# KiCad board ESP32-P4-PC_Rev_B.kicad_pcb (continued)
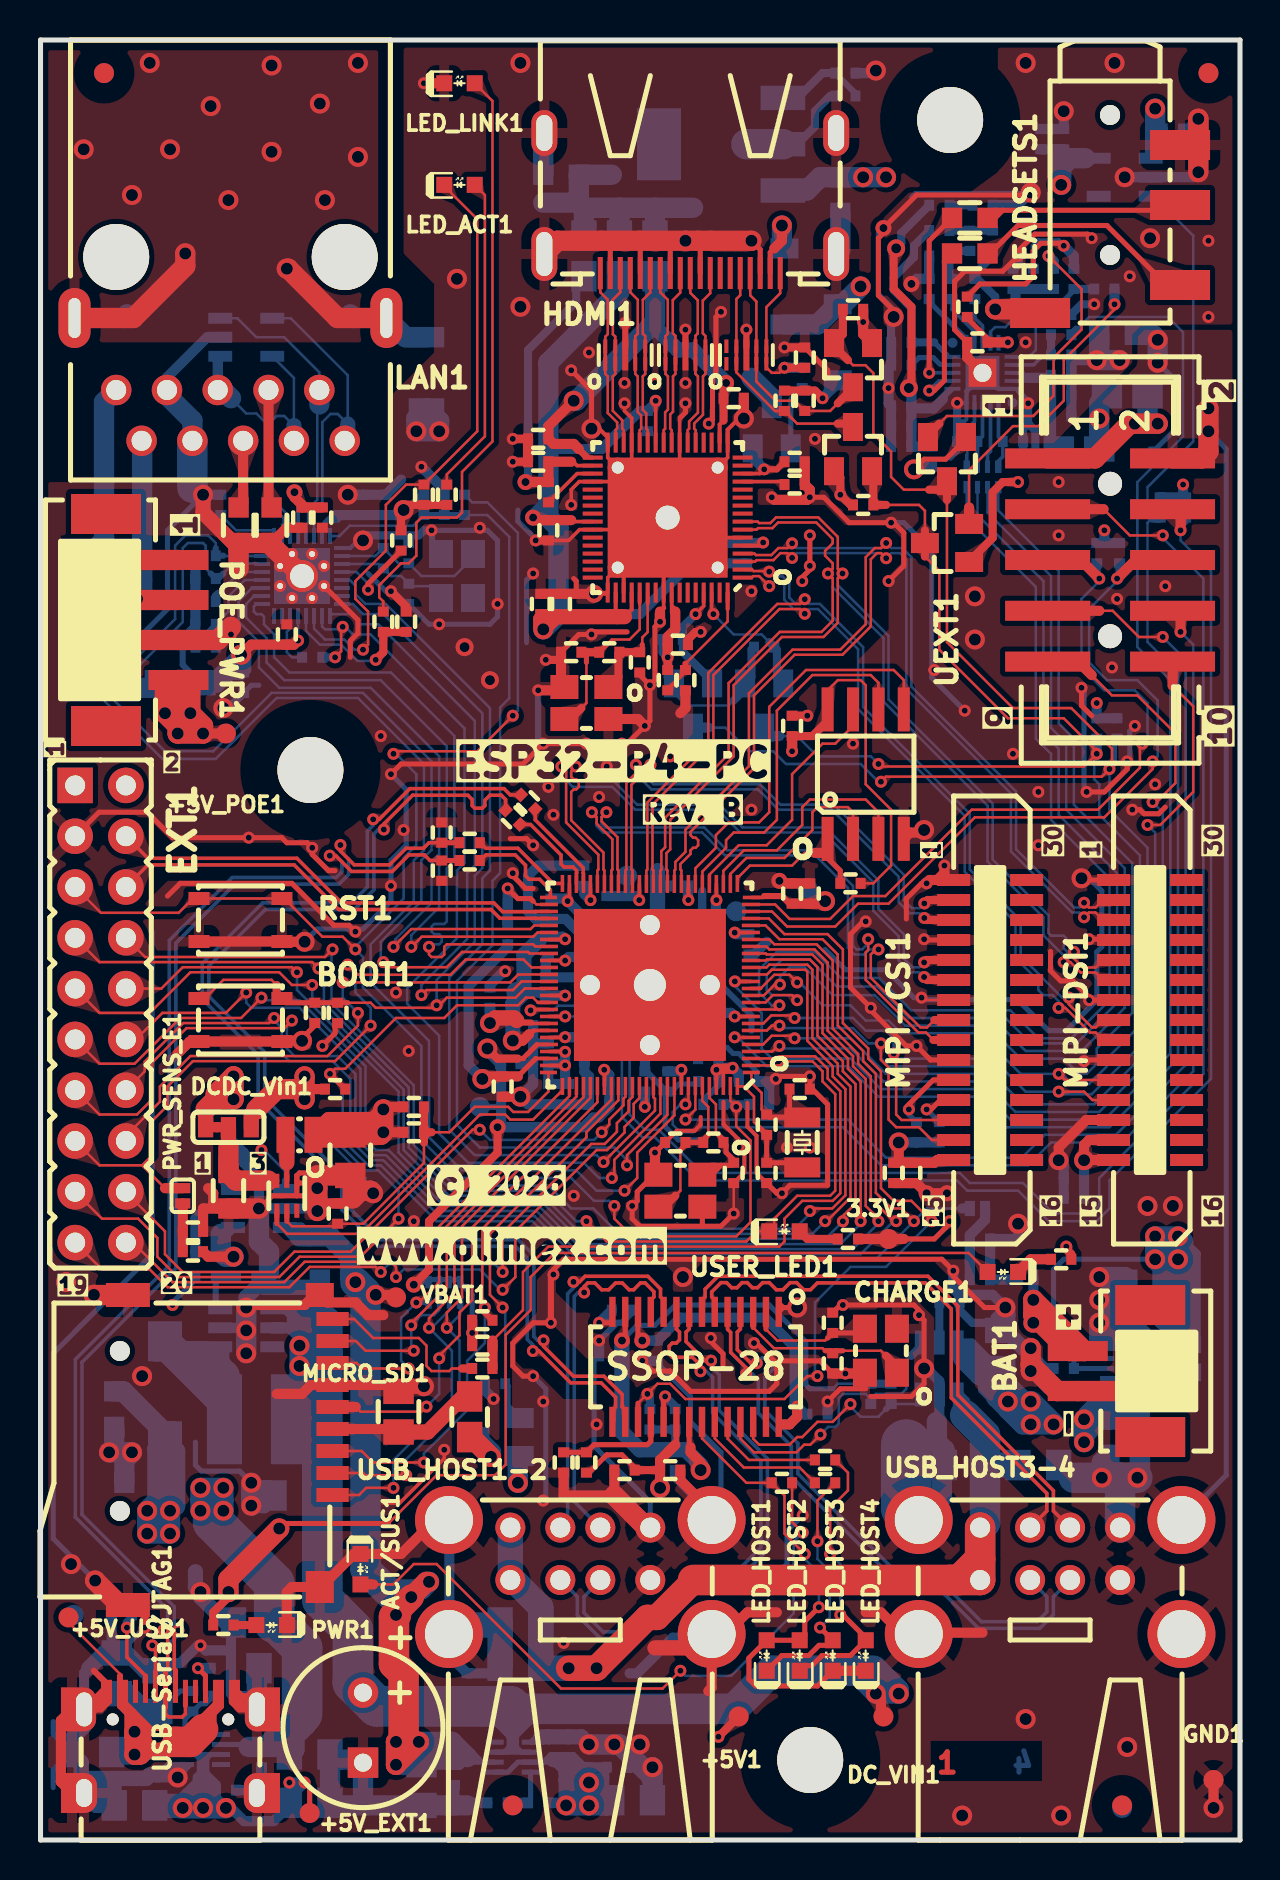
[diagram p0: board, top side]
## Routing (per net, layer and track width the routed paths; a pad name or vN(x,y) marks a point on that pad's centre or on a via; arc(x,y) is an arc through that point) (continued)
/GPIO12\I2S_SCLK: length 52.2
  Top w0.127: 36.02,42.58 36.7,43.26 37.47,43.26 v1(37.85,42.88)
  Top w0.178: 36.02,42.58 U1.13
  Bottom w0.127: v1(37.85,42.88) 37.97,42.88 39.12,41.74 40.51,41.74 41.28,40.97 42.42,40.97 43.05,40.34 47.75,40.34 49.02,39.07 51.18,39.07 51.94,38.31 52.32,38.31 52.83,38.81 52.83,39.58 54.61,41.36 54.61,48.85 51.69,51.77 51.69,55.07 50.93,55.83 50.93,63.45 47.91,66.47 RM2.1.1
/GPIO13\I2S_MCLK: length 72
  Top w0.178: 34.73,42.93 35.53,42.93
  Bottom w0.127: v1(34.73,42.93) 34.73,42.69 36.07,41.36 36.07,39.58 36.58,39.07 40.51,39.07 42.04,37.55 46.99,37.55 48.51,36.02 53.21,36.02 56.52,39.32 56.52,57.99 54.87,59.64 54.87,67.9 57.15,70.18 57.15,75.39 56.39,76.15 52.45,76.15 51.82,75.52
  Bottom w0.406: R60.2 51.82,75.52
/GPIO14: length 61.4
  Top w0.127: U1.15 36.34,43.28 36.58,43.51 38.25,43.51 38.35,43.41 38.35,39.96 39.62,38.69 39.62,38.18 40.26,37.55 40.26,32.23 39.6,31.58 38.61,31.58 v1(38.48,31.45) ; EXT1.8 5.23,44.15 14.22,44.15 v1(14.61,44.53)
  Bottom w0.127: v1(38.48,31.45) 38.48,31.32 37.72,30.56 28.67,30.56 27.65,31.58 26.54,31.58 25.4,32.72 20.7,32.72 18.67,34.75 18.67,37.73 14.56,41.85 14.56,44.48 v1(14.61,44.53)
/GPIO15: length 63.9
  Top w0.127: v1(39.24,30.94) 39.33,30.94 40.51,32.13 40.51,37.67 39.88,38.31 39.88,38.81 38.61,40.08 38.61,43.51 38.35,43.77 36.45,43.77 36.31,43.63 U1.16 ; v1(13.59,42.75) 12.57,42.75 11.94,43.39 7.49,43.39 5.46,41.36 2.94,41.36 EXT1.9
  Bottom w0.127: v1(13.59,42.75) 13.59,42.1 18.16,37.52 18.16,34.5 20.45,32.21 25.13,32.21 27.03,30.31 38.61,30.31 v1(39.24,30.94)
/GPIO16: length 61.9
  Top w0.127: v1(12.83,43.39) 12.57,43.64 7.11,43.64 6.04,42.57 EXT1.10 ; v1(40.13,30.93) 40.13,31.19 40.77,31.83 40.77,37.8 40.13,38.43 40.13,38.94 38.86,40.21 38.86,43.64 38.48,44.02 36.33,44.02 36.28,43.98 U1.17
  Bottom w0.127: v1(12.83,43.39) 12.83,42.5 17.91,37.42 17.91,34.37 20.32,31.96 25.02,31.96 26.93,30.05 39.25,30.05 v1(40.13,30.93)
/GPIO17: length 66.4
  Top w0.127: EXT1.11 2.94,38.81 4.7,38.81 6.99,41.1 10.03,41.1 v1(11.05,42.12) ; v1(41.02,30.94) 41.02,37.93 40.39,38.56 40.39,39.07 39.12,40.34 39.12,43.77 38.61,44.28 36.32,44.28 36.27,44.33 U1.18
  Bottom w0.127: v1(41.02,30.94) 41.02,30.81 40.01,29.8 26.82,29.8 24.92,31.7 20.19,31.7 17.4,34.5 16.76,34.5 16.26,35 16.26,38.69 12.96,41.99 11.18,41.99 v1(11.05,42.12)
/GPIO18: length 65.2
  Top w0.127: v1(41.91,30.94) 41.91,31.07 41.28,31.7 41.28,38.05 40.64,38.69 40.64,39.2 39.37,40.47 39.37,43.87 38.71,44.53 36.45,44.53 36.3,44.68 U1.19 ; v1(10.29,42.37) 9.27,41.36 6.1,41.36 4.77,40.03 EXT1.12
  Bottom w0.127: v1(10.29,42.37) 10.29,41.86 10.54,41.61 12.96,41.61 16,38.56 16,34.88 16.64,34.24 17.27,34.24 20.07,31.45 24.81,31.45 26.72,29.54 40.62,29.54 41.91,30.84 v1(41.91,30.94)
/GPIO19: length 72.3
  Top w0.127: v1(42.8,30.94) 42.67,30.94 41.53,32.08 41.53,38.18 40.9,38.81 40.9,39.3 39.62,40.57 39.62,43.98 38.82,44.78 36.7,44.78 36.46,45.03 U1.20 ; EXT1.13 2.94,36.28 4.83,36.28 5.59,37.04 5.59,38.88 7.3,40.59 12.19,40.59 v1(12.57,40.97)
  Bottom w0.127: v1(12.57,40.97) 12.32,40.72 12.32,39.58 12.7,39.2 14.86,39.2 15.75,38.31 15.75,34.75 16.51,33.99 17.15,33.99 19.94,31.19 24.71,31.19 26.61,29.29 41.02,29.29 42.67,30.94 v1(42.8,30.94)
/GPIO20/BAT_SENSE: length 73
  Top w0.127: v1(11.69,41.1) 11.43,40.85 7.14,40.85 5.21,38.92 5.21,38.43 EXT1.14 ; 35.53,45.73 36.27,45.73 36.96,45.04 39.12,45.04 39.88,44.28 39.88,40.72 41.15,39.45 41.15,38.94 41.78,38.31 41.78,32.36 42.57,31.58 43.05,31.58 v1(43.69,30.94)
  Bottom w0.127: 46.1,31.58 44.32,31.58 v1(43.69,30.94) 41.78,29.04 26.51,29.04 24.6,30.94 19.81,30.94 17.02,33.73 16.38,33.73 15.5,34.62 15.5,38.05 14.61,38.94 12.45,38.94 12.07,39.32 12.07,40.59 11.69,40.97 v1(11.69,41.1)
  Bottom w0.508: BAT_SENS_E1.2 46.1,31.58
/GPIO21/HUB_RST#: length 44.4
  Top w0.127: U1.23 36.43,46.08 37.21,45.29 39.37,45.29 40.13,44.53 40.13,40.85 41.4,39.58 41.4,39.07 42.04,38.43 42.04,32.59 42.67,31.96 43.56,31.96 v1(44.58,30.94) ; v1(38.86,23.19) 38.35,23.19 37.21,22.05 32.26,22.05 31.5,22.81 30.86,22.81 v1(30.35,22.31) 29.89,21.84
  Top w0.254: 29.89,21.84 U7.17
  Bottom w0.127: v1(38.86,23.19) 38.74,23.32 38.74,26.88 40.51,28.66 42.29,28.66 v1(44.58,30.94)
  Bottom w0.406: 30.48,21.54 30.48,22.18 v1(30.35,22.31)
/GPIO22/I2C_SDA2: length 40.2
  Top w0.127: v1(55.63,53.93) 55.63,53.55 53.21,51.13 46.74,51.13 42.42,46.82 40.9,46.82 39.75,45.67 37.34,45.67 36.59,46.43 35.53,46.43
  Top w0.508: v1(53.85,63.07) 54.78,64 UEXT1.6
  Bottom w0.127: v1(53.85,63.07) 53.85,62.95 52.45,61.55 52.45,58.88 53.34,57.99 54.87,57.99 55.88,56.98 55.88,54.18 v1(55.63,53.93)
  Bottom w0.406: v1(53.85,63.07) 53.98,63.2 R93.1
/GPIO23/I2C_SCL2: length 38.9
  Top w0.127: v1(55.12,54.82) 54.99,54.69 54.99,53.61 52.9,51.52 46.58,51.52 42.26,47.2 40.64,47.2 39.5,46.05 37.47,46.05 36.74,46.78 U1.25
  Top w0.508: v1(52.96,63.07) 52.03,64 UEXT1.5
  Bottom w0.127: v1(52.96,63.07) 52.96,62.95 52.07,62.06 52.07,58.63 53.21,57.48 54.74,57.48 55.37,56.85 55.37,55.07 v1(55.12,54.82)
  Bottom w0.406: v1(52.96,63.07) 52.83,63.2 R92.1
/GPIO26/USB1P1_1N: length 22.7
  Top w0.178: EXT1.4 5.37,49.09 12.82,49.09 15.06,46.85 22.68,46.85 23.11,46.42 24.75,46.42 24.76,46.43 25.43,46.43
/GPIO27/USB1P1_1P: length 22.7
  Top w0.178: EXT1.6 5.37,48.75 12.69,48.75 14.92,46.52 22.54,46.52 22.98,46.09 24.75,46.09 24.76,46.08 25.43,46.08
/GPIO32/EXT_PWR_SEN: length 36.5
  Top w0.127: v1(15.37,43.77) 15.88,43.26 20.5,43.26 21.27,44.02 24.16,44.02 24.56,43.63 25.43,43.63 ; 5.08,33.73 5.59,34.24 5.59,35.96 6.35,36.72 6.35,37.67 7.62,38.94 14.73,38.94 v1(16.51,40.72) ; 5.08,33.73 6.22,32.59 ; 5.08,33.73 2.94,33.73 EXT1.15
  Top w0.508: 6.22,32.59 PWR_SENS_E1.2
  Bottom w0.127: v1(16.51,40.72) 16.51,41.61 15.75,42.37 15.75,43.39 v1(15.37,43.77)
/GPIO33: length 27.6
  Top w0.127: v1(15.11,42.88) 23.5,42.88 23.89,43.28 25.43,43.28 ; EXT1.16 4.27,35.21 5.97,36.91 5.97,37.67 7.49,39.2 14.35,39.2 15.88,40.72 v1(15.88,41.36)
  Bottom w0.127: v1(15.88,41.36) 15.11,42.12 v1(15.11,42.88)
/GPIO34\RMII_TXD0: length 31
  Top w0.127: v1(19.05,42.24) 19.31,42.5 23.63,42.5 24.06,42.93 25.43,42.93
  Bottom w0.127: v1(19.05,42.24) 19.05,42.75 21.34,45.04 21.34,48.34 21.72,48.72 21.72,55.96 16.89,60.79 16,60.79 15.5,61.29 14.58,61.29 U2.9
/GPIO35\RMII_TXD1: length 43.9
  Top w0.127: 25.43,42.58 24.22,42.58 23.76,42.12 20.32,42.12 19.94,41.74 v1(19.81,41.74) 19.69,41.61 16.76,41.61 16.51,41.86 15.37,41.86 ; 11.81,42.75 11.56,43.01 9.15,43.01 8.21,42.08 BOOT1.1
  Top w0.254: BOOT1.1 12.29,41.86 C60.1 R43.2 15.37,41.86
  Top w0.406: 11.81,42.75 11.81,42.34 BOOT1.1
  Bottom w0.127: v1(19.81,41.74) 19.81,43.01 21.72,44.91 21.72,48.21 22.1,48.59 22.1,56.34 17.15,61.29 16.13,61.29 15.62,61.8 U2.8
/GPIO36: length 42.4
  Top w0.127: v1(17.91,31.07) 16,29.16 12.96,29.16 11.94,28.15 6.86,28.15 5.84,29.16 5.84,30.1 4.88,31.07 3.07,31.07 EXT1.17 ; v1(14.48,38.31) 14.73,38.56 15.24,38.56 17.78,41.1 20.19,41.1 20.83,41.74 23.89,41.74 24.27,42.12 24.64,42.12 24.88,41.88
  Top w0.178: 24.88,41.88 25.43,41.88
  Top w0.254: v1(14.48,38.31) R42.2
  Bottom w0.127: v1(14.48,38.31) 15.11,37.67 15.11,34.62 16.26,33.48 16.89,33.48 17.91,32.47 v1(17.91,31.07)
/GPIO46: length 32.3
  Top w0.127: U1.88 29.26,37.16 29.16,37.07 29.16,36.73 28.45,36.02 28.45,35.77 v1(28.07,35.39) ; EXT1.18 4.27,32.39 6.22,30.43 6.22,29.29 7.11,28.4 11.69,28.4 12.7,29.42 15.51,29.42 21.61,35.51 v1(21.97,35.51)
  Bottom w0.127: v1(28.07,35.39) 27.69,35 22.48,35 v1(21.97,35.51)
/GPIO47: length 35.5
  Top w0.127: v1(23.12,28.4) 23.12,30.37 27.55,34.8 28.22,34.8 28.83,35.41 28.83,35.84 29.41,36.43 29.41,36.96 29.61,37.15 U1.89 ; EXT1.19 3.07,28.53 5.46,28.53 6.35,27.64 12.45,27.64 13.46,28.66 16.76,28.66 v1(17.02,28.4)
  Bottom w0.127: v1(23.12,28.4) 22.73,28.78 17.4,28.78 v1(17.02,28.4)
/GPIO48: length 34.6
  Top w0.127: v1(17.78,28.15) 17.78,28.66 17.53,28.91 13.21,28.91 12.19,27.89 6.6,27.89 4.63,29.87 EXT1.20 ; U1.90 29.96,37.1 29.67,36.81 29.67,36.11 29.21,35.65 29.21,35.37 28.34,34.5 27.81,34.5 23.75,30.43 23.75,28.15 v1(23.12,27.51)
  Bottom w0.127: v1(23.12,27.51) 22.99,27.51 21.97,28.53 18.16,28.53 v1(17.78,28.15)
/GPIO53\SPI_TX(MOSI): length 55
  Top w0.127: v1(32.26,36.78) 32.41,36.93 U1.97
  Top w0.508: UEXT1.8 56.86,61.46 57.02,61.29 v1(57.02,60.41)
  Bottom w0.127: v1(57.02,60.41) 57.66,59.77 57.66,38.43 54.1,34.88 50.55,34.88 49.4,33.73 42.04,33.73 40.13,35.64 32.89,35.64 32.64,35.39 32,35.39 31.62,35.77 31.62,36.4 32,36.78 v1(32.26,36.78)
/GPIO54\SPI_RX(MISO): length 57.8
  Top w0.127: U1.98 32.76,36.52 v1(32.26,36.02) ; 52.96,61.46 53.63,61.46 54.94,60.15 v1(56.13,60.15)
  Top w0.508: UEXT1.7 52.96,61.46
  Bottom w0.127: v1(32.26,36.02) 40.39,36.02 42.29,34.12 49.09,34.12 50.23,35.26 53.79,35.26 57.28,38.75 57.28,59.01 v1(56.13,60.15)
/HP-L: length 11.4
  Top w0.254: HEADSETS1.4 56.32,77.75 53.34,80.72 48.9,80.72 47.5,79.33 C103.1
/HP-R: length 10.8
  Top w0.254: 48.13,81.49 47.75,81.49 C102.1 47.75,81.11 48.13,81.49 ; 48.13,81.49 56.74,81.49 HEADSETS1.3
/HPD_DET: length 8
  Top w0.127: U11.5 36.31,73.63 36.58,73.36 36.96,73.36 v1(37.21,73.61) ; U11.6 36.31,76.65 37,77.34 HDMI1.19
  Top w0.178: U11.6 U11.5
  Top w0.406: v1(37.21,73.61) R75.1
  Bottom w0.508: R71.2 v1(37.21,73.61)
/HSCL: length 12
  Top w0.127: U11.2 34.81,73.38 36.74,71.45 R88.2 37.85,70.82 39.88,70.82 ; U11.9 34.81,77.05 35,77.24 HDMI1.15
  Top w0.178: U11.2 U11.9
  Top w0.406: FET8.3 40.47,70.82 39.88,70.82
/HSDA: length 11.5
  Top w0.127: U11.4 35.81,72.92 36.77,71.96 37.72,71.96 R84.2 39.5,71.45 39.88,71.84 ; U11.7 35.81,76.92 35.5,77.23 HDMI1.16
  Top w0.178: U11.7 U11.4
  Top w0.406: 39.88,71.84 40.64,72.6 FET7.3
/HUB_DRV: length 24.7
  Top w0.127: v1(38.23,14.3) 37.21,15.32 37.21,17.22 R74.1 35.31,17.86 33.09,20.08 U7.22
  Top w0.254: LED_HOST3.1 38.86,7.7 35.78,7.7 35.43,8.04 35.43,9.1 LED_HOST1.2 LED_HOST2.2 38.23,10.24 38.23,10.93 v1(38.93,11.64)
  Top w0.508: LED_HOST3.1 LED_HOST4.1
  Bottom w0.127: v1(38.23,14.3) 38.23,14.05 38.93,13.35 v1(38.93,11.64)
/HUB_LED1: length 6.8
  Top w0.127: U7.23 33.73,20.08 35.18,18.62 37.97,18.62 R72.1
/HUB_LED2: length 5.6
  Top w0.127: R73.1 35.43,19 34.37,20.07 U7.24
/LAN_Shield: length 20.2
  Top w1.016: v2(7.24,79.33) 7.24,78.69 4.65,76.1 LAN1.0 ; LAN1.0 14.85,76.1 12.39,78.57 v2(12.32,78.57)
  Bottom w1.016: LAN1.0 4.14,76.1 4.32,76.28 ; C17.2 18.26,75.14 LAN1.0 15.68,76.1 15.5,76.28
  vias: v2(2.16,84.53) v2(4.57,82.25) v2(5.46,88.85) v2(6.48,84.53) v2(8.51,86.69) v2(9.4,82) v2(11.56,88.73) v2(11.56,84.41) v2(13.97,86.82) v2(14.22,82) v2(15.88,88.85) v2(15.88,84.15)
/LED0\PHY_AD0: length 30.9
  Top w0.127: LED_ACT1.1 20.19,82.69 21.84,81.04 21.84,70.44 R7.1 18.29,67.77 17.27,66.75 17.27,64.47 15.75,62.95 15.75,62.06 16.38,61.42 16.38,59.77 v1(16.13,59.52)
  Bottom w0.127: v1(16.13,59.52) 15.7,59.52 15.19,60.02 14.22,60.02 13.68,60.57 U2.11
/LED3\PHY_AD3: length 7.6
  Top w0.406: v1(16.76,59.01) 17.15,59.39 R9.2 R10.2
  Bottom w0.127: v1(16.76,59.01) 16.71,58.96 15.85,58.96 15.04,59.77 13.97,59.77 13.28,60.46 U2.12
/LT8912_SCL: length 6.8
  Top w0.178: v1(33.66,61.29) 33.57,61.38 U12.62
  Bottom w0.127: 36.45,59.9 36.07,60.28 34.67,60.28 v1(33.66,61.29)
  Bottom w0.406: FET5.2 36.83,58.15 36.83,59.52 R61.2 36.45,59.9
/LT8912_SDA: length 5.6
  Top w0.178: v1(32.77,61.29) 33.17,61.7 U12.61
  Bottom w0.406: FET6.2 33.59,57.93 32.13,59.39 R62.2 32.13,60.66 v1(32.77,61.29)
/LX2: length 12.4
  Bottom w0.508: U14.1 9.2,24.45 9.2,23.22
  Bottom w1.524: D4.2 6.97,24.18 8.23,24.18 9.2,23.22 L11.1 9.2,21.83 D4.2
/MDC: length 54.8
  Top w0.127: v1(17.15,43.89) 17.4,43.64 20.32,43.64 21.08,44.4 24.39,44.4 24.46,44.33 25.43,44.33
  Bottom w0.127: v1(17.15,43.89) 17.02,44.02 17.02,44.91 19.05,46.94 19.05,49 19.56,49.5 19.56,53.93 16.13,57.36 11.56,57.36 8.64,54.44 6.22,54.44 3.56,57.1 3.56,58.12 4.06,58.63 4.84,58.63 7.11,60.9 7.11,64.6 7.37,64.85 8.13,64.85 8.26,64.72 8.26,63.58 8.51,63.33 ; 9.15,63.33 9.65,63.83 11.05,63.83 U2.22
  Bottom w0.305: 8.51,63.33 R34.2 8.89,63.07 9.15,63.33
/MDIO: length 73
  Top w0.127: v1(29.21,32.47) 29.85,33.1 29.85,34.37 31.71,36.23 U1.95
  Bottom w0.127: 8.76,64.6 8.76,64.85 8.38,65.23 7.24,65.23 6.73,64.72 6.73,61.04 4.7,59.01 3.94,59.01 3.18,58.25 3.18,56.98 6.1,54.06 8.76,54.06 11.81,57.1 15.88,57.1 19.18,53.8 19.18,49.48 18.67,48.97 18.67,46.94 16.51,44.78 16.51,42.88 19.43,39.96 19.43,35.13 21.08,33.48 26.8,33.48 27.81,32.47 v1(29.21,32.47) ; U2.23 9.16,64.2 9.15,64.22
  Bottom w0.305: 9.15,64.22 R35.2 8.76,64.6
/MICN: length 2.3
  Bottom w0.406: R80.2 45.72,79.45 R81.2 45.47,78.19 C97.1
/MICP: length 6.1
  Top w1.016: v2(47.75,76.53) 49.82,76.53 HEADSETS1.1
  Bottom w0.406: v2(47.75,76.53) 47.75,77.17 46.86,78.06 C98.1 46.74,78.31 47.63,79.2 R82.2
/OVCUR#: length 11.3
  Top w0.127: U7.26 35.65,20.06 35.94,19.77 37.47,19.77 37.85,20.15 38.1,20.15 38.86,20.91 39.62,20.91 v1(40.51,21.8)
  Bottom w0.127: 42.29,21.54 41.91,21.16 41.02,21.16 40.51,21.67 v1(40.51,21.8) ; 42.55,21.8 44.01,21.8 U6.3
  Bottom w0.305: 42.55,21.8 42.29,21.54
/PHY_RSTN: length 54.6
  Top w0.127: v1(29.34,33.73) 29.34,34.24 31.36,36.26 U1.94
  Bottom w0.127: R19.2 22.35,66.25 23.45,65.15 23.45,57.08 22.99,56.62 22.99,48.34 22.61,47.96 22.61,44.73 20.83,42.96 20.83,35.77 21.97,34.62 28.7,34.62 29.34,33.99 v1(29.34,33.73) ; U2.32 14.96,65.2 15.47,65.71 18.64,65.71 R18.2
  Bottom w0.305: R18.2 C26.1 R19.2
/PW+: length 18.9
  Top w1.016: 4.06,62.06 v2(4.83,62.06) 4.88,62 POE_PWR1.2 ; 4.06,62.06 3.53,61.52 3.15,61.52 ; 4.06,62.06 v2(3.68,62.06) 3.15,61.52 ; 3.15,61.52 v2(2.79,61.17)
  Bottom w1.016: 3.16,61.54 v2(3.68,62.06) ; 3.16,61.54 3.54,61.54 4.06,62.06 ; 3.16,61.54 v2(2.79,61.17) ; v2(3.68,62.06) 4.17,62.06 5.08,62.97 ; v2(3.68,62.06) 4.7,62.06 5.08,62.44 5.08,62.97 ; 5.08,62.97 5.08,69.93 LAN1.9
/PW-: length 21.5
  Top w1.016: v2(3.43,64.09) 3.52,64 POE_PWR1.1 ; v2(3.43,64.09) v2(2.29,62.95) v2(2.29,64.09) v2(3.43,64.09)
  Bottom w1.016: v2(3.43,64.09) v2(2.29,64.09) ; v2(3.43,64.09) v2(2.29,62.95) v2(2.29,64.09) ; v2(3.43,64.09) 3.18,64.34 3.18,65.1 ; v2(2.29,64.09) 3.18,64.98 3.18,65.1 ; 3.18,65.1 3.18,71.89 LAN1.10
/PWREN#: length 14.6
  Top w0.127: U7.25 35.01,20.06 35.69,19.38 37.82,19.38 38.2,19.77 38.51,19.77 v1(39.02,20.27)
  Bottom w0.127: 43.56,24.21 43.31,23.96 43.31,22.56 43.05,22.31 41.78,22.31 41.53,22.05 41.28,22.31 40.13,22.31 39.93,22.1 39.93,20.83 39.75,20.65 39.4,20.65 v1(39.02,20.27) ; 41.53,21.84 41.53,21.8
  Bottom w0.406: U6.4 44.01,24.66 43.56,24.21 ; 41.53,21.8 41.53,22.05
/RD+: length 12.2
  Bottom w0.127: U2.27 12.48,65.75 12.41,65.83 12.41,66.21 11.56,67.06 11.56,70.95 11.81,71.2 12.19,71.2 12.68,70.72 12.68,73.1 TVS1.5
  Bottom w0.762: 12.68,70.72 LAN1.3
/RD-: length 10.9
  Bottom w0.127: 9.53,72.09 10.29,71.33 10.8,71.33 11.3,70.82 11.3,66.96 12.16,66.11 12.16,65.83 12.08,65.75 U2.26
  Bottom w0.508: TVS1.1 8.87,74.06 LAN1.6
  Bottom w1.016: LAN1.6 9.12,72.5 9.53,72.09
/RMII_CLK: length 49.5
  Top w0.127: v1(15.11,60.66) 15.04,60.58 15.04,59.44 v1(14.73,59.13) ; U1.93 31.01,36.32 28.7,34.01 28.7,33.23 v1(28.58,33.1)
  Bottom w0.127: v1(28.58,33.1) 27.94,33.1 27.18,33.86 21.4,33.86 19.94,35.32 19.94,40.21 18.34,41.81 18.34,42.6 20.83,45.09 20.83,48.47 21.21,48.85 21.21,55.58 16.51,60.28 15.62,60.28 15.24,60.66 v1(15.11,60.66) 14.99,60.53 14.22,60.53 14.08,60.67 U2.10
  Bottom w0.406: R38.1 v1(14.73,59.13)
/RMII_RXD0: length 33
  Top w0.127: 25.43,45.38 24.86,45.38 24.65,45.17 19.07,45.17 18.56,44.66 v1(18.54,44.66)
  Bottom w0.127: 10.69,62.2 10.29,61.8 10.29,61.12 11.3,60.1 11.3,58.88 12.19,57.99 17.02,57.99 20.32,54.69 20.32,49.1 19.94,48.72 19.94,46.64 18.54,45.24 v1(18.54,44.66)
  Bottom w0.203: 10.69,62.2 U2.18
/RMII_RXD1: length 33.3
  Top w0.127: 25.43,44.68 24.75,44.68 24.64,44.78 20.32,44.78 20.19,44.66 20.19,44.28 20.07,44.15 19.56,44.15 19.43,44.28 v1(19.43,44.66)
  Bottom w0.127: U2.17 10.79,61.8 10.67,61.67 10.67,61.42 10.8,61.29 11.05,61.29 11.18,61.17 11.18,60.79 11.69,60.28 11.69,59.13 12.45,58.37 17.53,58.37 20.7,55.2 20.7,48.97 20.32,48.59 20.32,45.93 20.19,45.8 19.69,45.8 19.56,45.67 19.56,45.42 19.69,45.29 19.94,45.29 20.07,45.17 20.07,44.91 19.94,44.78 19.56,44.78 v1(19.43,44.66)
/RMII_RXDV: length 34.7
  Top w0.127: 25.43,45.73 24.69,45.73 24.51,45.55 18.54,45.55 v1(17.65,44.66)
  Bottom w0.127: v1(17.65,44.66) 17.76,44.76 17.76,45.05 19.56,46.85 19.56,48.91 19.94,49.29 19.94,54.18 16.51,57.61 11.94,57.61 10.92,58.63 10.92,59.9 9.91,60.91 9.91,61.93 10.58,62.6
  Bottom w0.203: 10.58,62.6 U2.19
/RMII_TXEN: length 45.5
  Top w0.127: U1.92 30.66,37.14 30.74,37.06 30.74,36.47 28.16,33.9 v1(28.16,33.9)
  Bottom w0.127: 15.08,63 15.47,63 15.75,62.72 15.75,62.31 16.26,61.8 17.27,61.8 22.48,56.59 22.48,48.47 22.1,48.09 22.1,44.78 20.45,43.13 20.45,35.51 21.72,34.24 27.81,34.24 v1(28.16,33.9)
/RXER/INTR_32: length 3.1
  Bottom w0.127: 8.89,62.31 9.98,63.4 U2.21
  Bottom w0.406: R37.2 8.76,62.18 8.89,62.31
/SD1_CLK: length 24.2
  Top w0.127: 15.77,21.65 16,21.42 19.05,21.42 v1(19.31,21.67) ; U1.84 27.86,36.89 21.59,30.62 21.59,27 20.96,26.37 20.96,25.23 19.94,24.21 v1(19.94,24.08)
  Top w0.508: 15.77,21.65 MICRO_SD1.5
  Bottom w0.127: v1(19.31,21.67) 19.94,22.31 v1(19.94,24.08)
/SD1_CMD: length 28.4
  Top w0.127: U1.86 28.56,37.02 22.1,30.56 22.1,26.75 v1(22.23,26.62) ; MICRO_SD1.3 16.06,19.45 16.64,18.88 v1(19.18,18.88)
  Top w0.305: R11.2 22.23,26.37 v1(22.23,26.62)
  Bottom w0.127: v1(19.18,18.88) 19.18,19.32 21.34,21.48 21.34,23.96 22.23,24.84 v1(22.23,26.62)
/SD1_D0: length 22.4
  Top w0.127: v1(18.8,26.87) 18.92,26.87 19.94,27.89 19.94,30.69 26.46,37.2 U1.80 ; MICRO_SD1.7 15.81,23.85 16.09,23.58 v1(18.42,23.58)
  Bottom w0.127: v1(18.8,26.87) 18.03,26.11 18.03,23.96 v1(18.42,23.58)
  Bottom w0.254: v1(18.8,26.87) RM1.4.1
/SD1_D1: length 22.8
  Top w0.127: MICRO_SD1.8 15.77,24.95 16.26,24.46 v1(18.67,24.46) ; U1.81 26.81,37.17 20.32,30.69 20.32,27.61 18.54,25.84 v1(18.54,25.73)
  Bottom w0.127: RM1.3.1 19.94,26.5 19.69,26.24 19.05,26.24 v1(18.54,25.73) 18.54,24.59 v1(18.67,24.46)
/SD1_D2: length 29.7
  Top w0.127: v1(17.65,17.61) 16.29,17.61 15.93,17.25 MICRO_SD1.1 ; U1.82 27.16,37.14 20.7,30.69 20.7,27.36 19.43,26.09 v1(19.43,25.61)
  Bottom w0.127: v1(17.65,17.61) 17.65,19 20.57,21.92 20.57,24.46 v1(19.43,25.61) 19.56,25.61 20.44,26.49 RM1.2.1
/SD1_D3: length 28.8
  Top w0.127: U1.83 27.51,37.11 21.08,30.69 21.08,27.13 20.32,26.37 v1(20.32,25.61) ; MICRO_SD1.2 16.13,18.35 16.24,18.24 v1(18.29,18.24)
  Bottom w0.127: RM1.1.1 20.98,26.27 v1(20.32,25.61) 20.96,24.97 20.96,21.7 18.29,19.03 v1(18.29,18.24)
/SD1_PWR_EN: length 19.9
  Top w0.127: U1.87 28.91,36.99 27.31,35.39 27.31,35.13 22.48,30.31 22.48,27.26 v1(23.12,26.62)
  Bottom w0.127: R3.2 23.24,26.5 v1(23.12,26.62)
  Bottom w0.305: FET1.1 23.37,21.7 23.37,22.69 R3.2
/SD1_VDD: length 7.4
  Top w0.508: C14.1 17.76,20.55 MICRO_SD1.4
  Top w0.762: C14.1 19.37,20.4 21.15,22.18 L1.2
/SW1: length 2.4
  Bottom w0.254: U4.2 55.63,23.58 55.75,23.45
  Bottom w0.762: 55.75,23.45 57.09,23.45 L3.1
/TD+: length 15.8
  Bottom w0.127: TVS1.4 12.51,76.09 15.37,73.23 15.37,70.79 14.86,71.3 14.5,71.3 14.1,70.9 14.1,66.9 13.64,66.45 13.64,65.78 13.68,65.74 U2.30
  Bottom w0.762: 15.37,70.79 15.37,70.11 LAN1.1
/TD-: length 14.5
  Bottom w0.127: 13.94,71.78 13.84,71.68 13.84,67.01 13.39,66.55 13.39,65.85 13.28,65.74 U2.29 ; TVS1.3 9.85,76.09 10.8,75.14 12.19,75.14 13.94,73.38 LAN1.2
  Bottom w1.016: LAN1.2 13.94,71.78
/TX0_DN: length 8.8
  Top w0.127: U10.9 31.76,75.21 31.63,75.34 31.63,76.99 32,77.37 HDMI1.9 ; U10.2 31.76,73.3 31.64,73.18 31.64,71.42 31.5,71.28 31.5,70.56 31.57,70.49 U12.24
  Top w0.178: U10.9 U10.2
/TX0_DP: length 8.8
  Top w0.127: HDMI1.7 31,77.39 31.37,77.01 31.37,75.31 31.26,75.19 U10.10 ; U10.1 31.26,73.3 31.38,73.18 31.38,71.52 31.24,71.38 31.24,70.56 31.17,70.49 U12.25
  Top w0.178: U10.1 U10.10
/TX1_DN: length 8.8
  Top w0.127: U9.5 30.25,73.3 30.12,73.18 30.12,71.51 30.3,71.34 30.3,70.56 30.37,70.49 U12.27 ; HDMI1.6 30.5,77.38 30.13,77.01 30.13,75.31 30.25,75.19 U9.6
  Top w0.178: U9.5 U9.6
/TX1_DP: length 8.8
  Top w0.127: U9.7 29.75,75.19 29.87,75.32 29.87,77.02 29.5,77.39 HDMI1.4 ; U9.4 29.75,73.3 29.87,73.18 29.87,71.4 30.04,71.23 30.04,70.56 29.97,70.49 U12.28
  Top w0.178: U9.4 U9.7
/TX2_DN: length 9
  Top w0.127: U12.30 29.17,70.49 29.1,70.56 29.1,70.99 28.62,71.46 28.62,73.18 28.75,73.3 U9.2 ; HDMI1.3 29,77.39 28.63,77.02 28.63,75.29 28.75,75.17 U9.9
  Top w0.178: U9.2 U9.9
/TX2_DP: length 9
  Top w0.127: U9.10 28.25,75.16 28.37,75.29 28.37,77.01 28,77.38 HDMI1.1 ; U9.1 28.25,73.3 28.37,73.18 28.37,71.35 28.84,70.88 28.84,70.58 28.77,70.5 U12.31
  Top w0.178: U9.10 U9.1
/TX_CKN: length 9
  Top w0.127: U12.21 32.77,70.49 32.7,70.56 32.7,70.82 33.14,71.26 33.14,73.18 33.26,73.3 U10.5 ; U10.6 33.26,75.2 33.13,75.34 33.13,76.97 33.5,77.34 HDMI1.12